# KiCad board kira.kicad_pcb
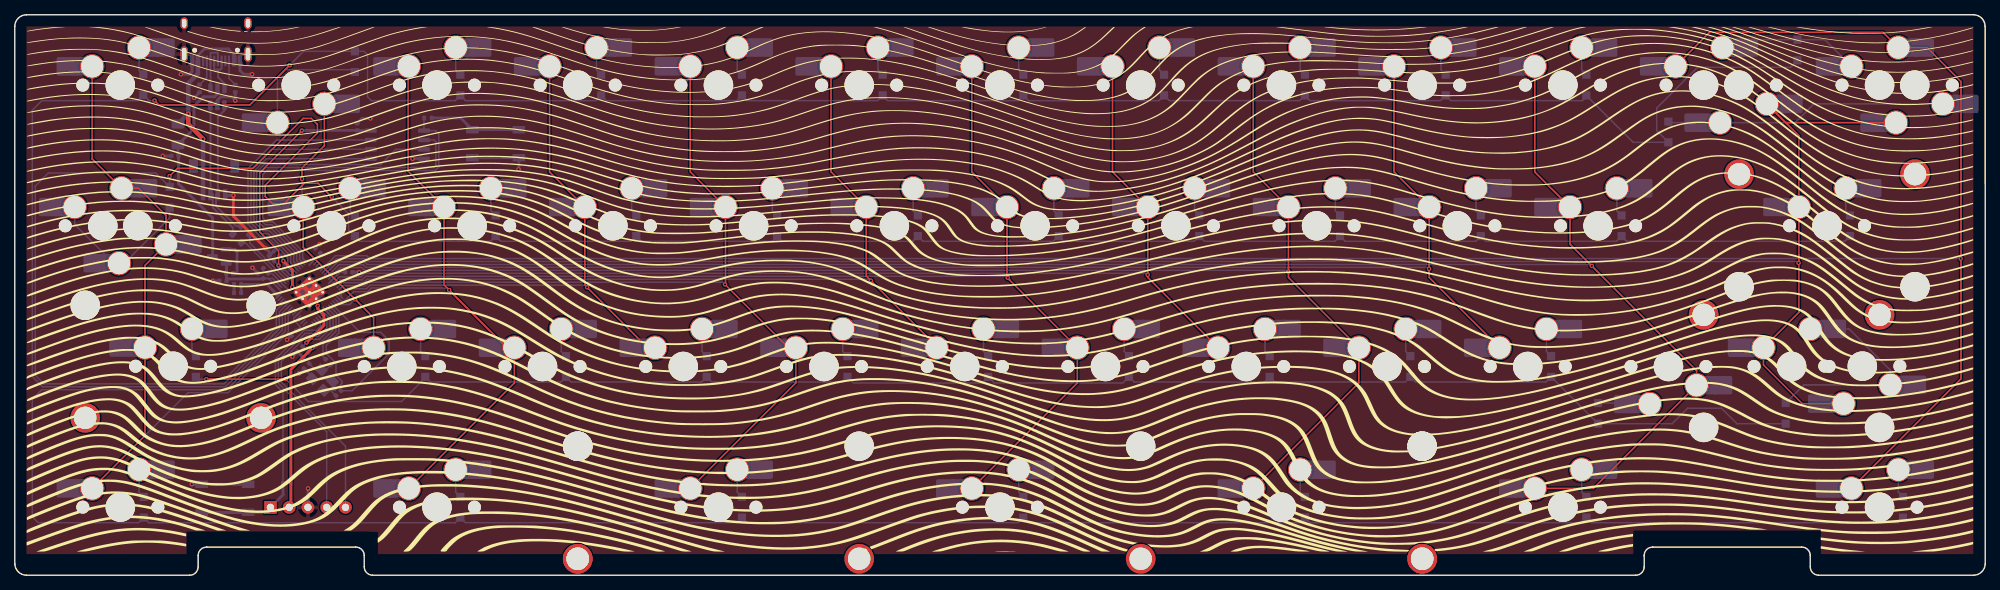
[diagram p0: board, top side]
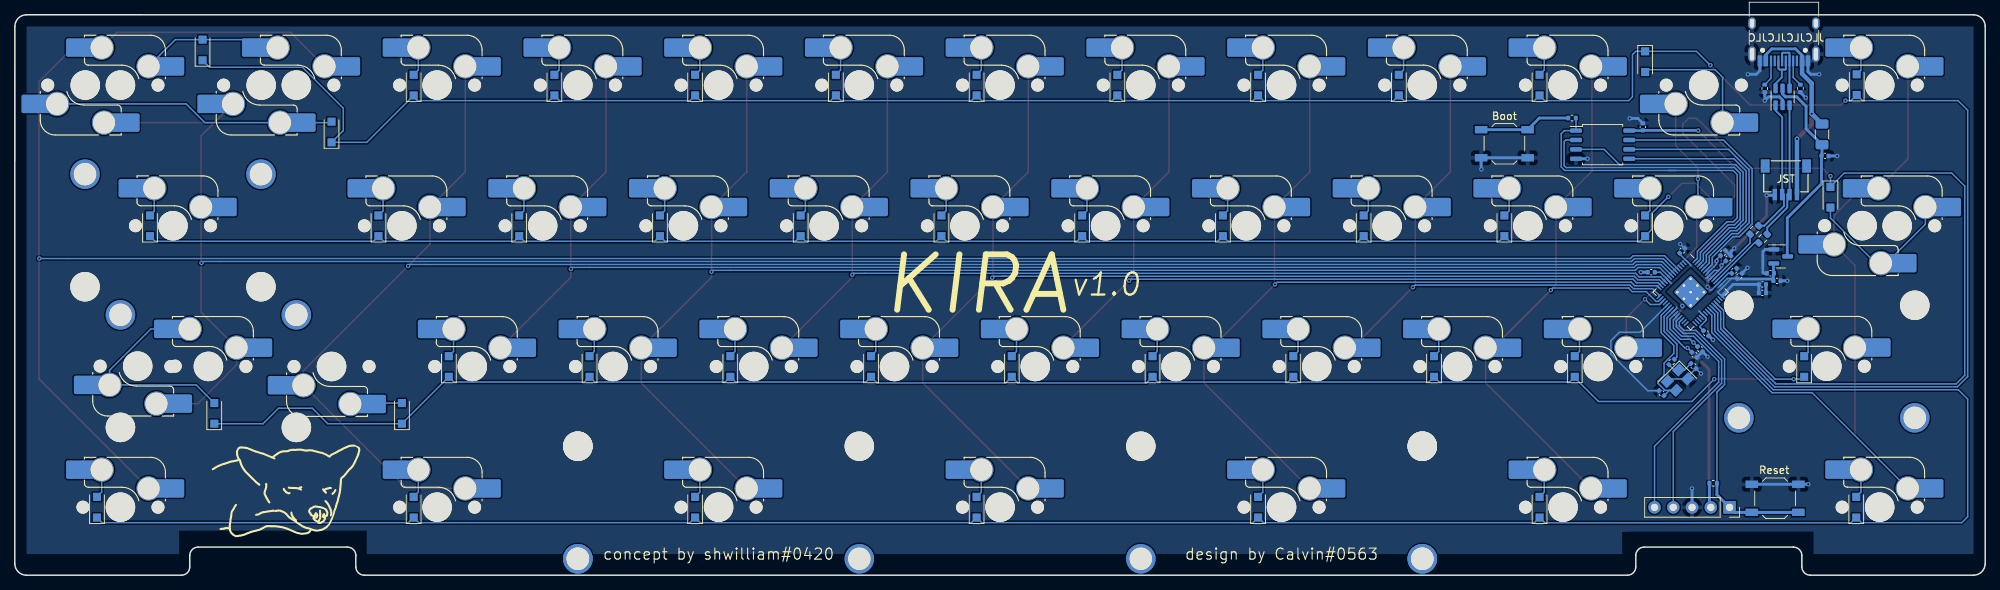
[diagram p1: board, bottom side, seen from below]

Outline 266.71 x 75.89 mm; copper layers: Top, Bottom. Coordinates in mm from the lower left corner of the outline.
Outline path: 0,74.3 arc(0.46,75.42) 1.59,75.88 265.17,75.89 arc(266.25,75.4) 266.7,74.3 266.71,1.52 arc(266.24,0.46) 265.18,0 244.17,0 arc(243.36,0.33) 243.02,1.14 243.02,2.67 arc(242.69,3.48) 241.88,3.81 221.69,3.81 arc(220.88,3.48) 220.54,2.67 220.54,1.14 arc(220.21,0.33) 219.4,0 48.44,0 arc(47.63,0.33) 47.3,1.14 47.3,2.67 arc(46.96,3.48) 46.16,3.81 25.96,3.81 arc(25.15,3.48) 24.82,2.67 24.82,1.14 arc(24.48,0.33) 23.68,0 1.6,0 arc(0.5,0.44) 0.01,1.52 0,74.3
Stack: Top 0.035mm / dielectric 1.51mm FR4 er 4.5 / Bottom 0.035mm

## Placement (name value [footprint] x y rotation side)
C1  1uF  [C_0402_1005Metric]  33.98 41.22 135 bottom
C2  100nF  [C_0402_1005Metric]  35.49 43.62 135 bottom
C3  100nF  [C_0402_1005Metric]  38.6 30.61 225 bottom
C4  1uF  [C_0402_1005Metric]  21.68 56.77 180 bottom
C5  22pF  [C_0402_1005Metric]  39.49 28.33 45 bottom
C6  22pF  [C_0402_1005Metric]  43.81 24.64 225 bottom
C7  10uF  [C_0402_1005Metric]  29.07 40.88 0 bottom
C8  1uF  [C_0402_1005Metric]  28.18 39.87 180 bottom
C9  1uF  [C_0402_1005Metric]  33.27 40.52 135 bottom
C10  100nF  [C_0402_1005Metric]  30.16 38.23 180 bottom
C11  100nF  [C_0402_1005Metric]  39.36 29.85 225 bottom
C12  100nF  [C_0402_1005Metric]  46.35 60.71 90 bottom
C13  100nF  [C_0402_1005Metric]  37.79 32.77 225 bottom
C14  100nF  [C_0402_1005Metric]  45.21 41.03 0 bottom
C15  100nF  [C_0402_1005Metric]  34.76 42.91 135 bottom
C16  100nF  [C_0402_1005Metric]  30.16 39.38 180 bottom
C17  100nF  [C_0402_1005Metric]  41.02 43.95 135 bottom
D2  D_Small  [D_SOD-123F]  17.39 66.43 90 bottom
D3  D_Small  [D_SOD-123F]  20.95 51.19 270 bottom
D4  D_Small  [D_SOD-123F]  24.51 28.26 90 bottom
D5  D_Small  [D_SOD-123F]  17.46 9.21 90 bottom
D6  D_Small  [D_SOD-123F]  46.03 69.54 270 bottom
D7  D_Small  [D_SOD-123F]  46.03 47.31 90 bottom
D8  D_Small  [D_SOD-123F]  55.56 28.26 90 bottom
D9  D_Small  [D_SOD-123F]  60.32 66.36 90 bottom
D10  D_Small  [D_SOD-123F]  65.08 47.31 90 bottom
D11  D_Small  [D_SOD-123F]  74.61 28.26 90 bottom
D12  D_Small  [D_SOD-123F]  60.32 9.21 90 bottom
D13  D_Small  [D_SOD-123F]  79.37 66.36 90 bottom
D14  D_Small  [D_SOD-123F]  84.13 47.31 90 bottom
D15  D_Small  [D_SOD-123F]  93.66 28.26 90 bottom
D16  D_Small  [D_SOD-123F]  98.42 66.36 90 bottom
D17  D_Small  [D_SOD-123F]  103.18 47.31 90 bottom
D18  D_Small  [D_SOD-123F]  112.71 28.26 90 bottom
D19  D_Small  [D_SOD-123F]  98.42 9.21 90 bottom
D20  D_Small  [D_SOD-123F]  117.47 66.36 90 bottom
D21  D_Small  [D_SOD-123F]  122.23 47.31 90 bottom
D22  D_Small  [D_SOD-123F]  131.76 28.26 90 bottom
D23  D_Small  [D_SOD-123F]  136.52 66.36 90 bottom
D24  D_Small  [D_SOD-123F]  141.28 47.31 90 bottom
D25  D_Small  [D_SOD-123F]  150.81 28.26 90 bottom
D26  D_Small  [D_SOD-123F]  136.52 9.21 90 bottom
D27  D_Small  [D_SOD-123F]  155.57 66.36 90 bottom
D28  D_Small  [D_SOD-123F]  160.33 47.31 90 bottom
D29  D_Small  [D_SOD-123F]  169.86 28.26 90 bottom
D30  D_Small  [D_SOD-123F]  174.62 66.36 90 bottom
D31  D_Small  [D_SOD-123F]  179.38 47.31 90 bottom
D32  D_Small  [D_SOD-123F]  188.91 28.26 90 bottom
D33  D_Small  [D_SOD-123F]  174.62 9.21 90 bottom
D34  D_Small  [D_SOD-123F]  193.67 66.36 90 bottom
D35  D_Small  [D_SOD-123F]  198.43 47.31 90 bottom
D36  D_Small  [D_SOD-123F]  207.96 28.26 90 bottom
D37  D_Small  [D_SOD-123F]  212.72 66.36 90 bottom
D38  D_Small  [D_SOD-123F]  217.48 47.31 90 bottom
D39  D_Small  [D_SOD-123F]  214.31 21.91 90 bottom
D40  D_Small  [D_SOD-123F]  212.72 9.21 90 bottom
D41  D_Small  [D_SOD-123F]  223.83 60.01 90 bottom
D42  D_Small  [D_SOD-123F]  248.41 47.31 90 bottom
D43  D_Small  [D_SOD-123F]  239.71 21.91 90 bottom
D44  D_Small  [D_SOD-123F]  241.29 71.13 90 bottom
D45  D_Small  [D_SOD-123F]  255.58 9.21 90 bottom
F1  500mA  [Fuse_1206_3216Metric]  22.09 59.7 270 bottom
G***  -  [LOGO]  133.32 38.3 0 top
G***#2  -  [LOGO]  231.09 12.45 205 bottom
J1  USB_C_Receptacle_USB2.0  [USB_C_Receptacle_HRO_TYPE-C-31-M-12]  27.24 73.69 0 bottom
J2  SWD  [PinSocket_1x05_P2.54mm_Vertical]  34.6 9.19 270 bottom
J3  Conn_01x04_Male  [JST-SR-4]  26.98 56.31 0 bottom
R1  27R  [R_0603_1608Metric]  31.24 46.74 315 bottom
R2  27R  [R_0603_1608Metric]  30.09 45.6 315 bottom
R3  1k  [R_0402_1005Metric]  36.82 12.45 180 bottom
R4  5k1  [R_0402_1005Metric]  25.01 65.92 270 bottom
R5  5k1  [R_0402_1005Metric]  29.84 65.92 270 bottom
R6  1k  [R_0402_1005Metric]  55.93 61.91 180 bottom
R7  1k  [R_0402_1005Metric]  42.45 28.87 135 bottom
S1  MX_stab  [STAB_MX_P_3u]  171.44 9.21 180 top
S2  MX_stab  [STAB_MX_P_7u]  133.34 9.21 180 top
S3  MX_stab  [STAB_MX_P_3u]  95.24 9.21 180 top
S4  MX_stab  [STAB_MX_P_2.25u]  21.44 28.3 180 top
S5  MX_stab  [STAB_MX_P_2.25u]  245.3 47.32 0 top
S6  MX_stab  [STAB_MX_P_2.75u]  240.5 28.27 0 top
SW1  SW_Push_45deg  [SW_MX_HS_1.5u]  14.28 66.36 180 bottom
SW2  SW_Push_45deg  [SW_MX_HS_1u]  38.09 66.36 0 bottom
SW3  SW_Push_45deg  [SW_MX_HS_1u]  57.14 66.36 180 bottom
SW4  SW_Push_45deg  [SW_MX_HS_1u]  76.19 66.36 180 bottom
SW5  SW_Push_45deg  [SW_MX_HS_1u]  95.24 66.36 180 bottom
SW6  SW_Push_45deg  [SW_MX_HS_1u]  114.29 66.36 180 bottom
SW7  SW_Push_45deg  [SW_MX_HS_1u]  133.34 66.36 180 bottom
SW8  SW_Push_45deg  [SW_MX_HS_1u]  152.39 66.36 180 bottom
SW9  SW_Push_45deg  [SW_MX_HS_1u]  171.44 66.36 180 bottom
SW10  SW_Push_45deg  [SW_MX_HS_1u]  190.49 66.36 180 bottom
SW11  SW_Push_45deg  [SW_MX_HS_1u]  209.54 66.36 180 bottom
SW12  SW_Push_45deg  [SW_MX_HS_1u]  257.17 66.36 0 bottom
SW12(1.5)1  SW_Push_45deg  [SW_MX_HS_1.5u]  233.36 66.36 0 bottom
SW13  SW_Push_45deg  [SW_MX_HS_1u]  228.59 66.36 180 bottom
SW13(1.5)1  SW_Push_45deg  [SW_MX_HS_1.5u]  252.41 66.36 180 bottom
SW14  SW_Push_45deg  [SW_MX_HS_1.75u]  16.66 47.33 0 bottom
SW14(1.25)1  SW_Push_45deg  [SW_MX_HS_1.25u]  11.91 47.31 180 bottom
SW15  SW_Push_45deg  [SW_MX_HS_1u]  42.86 47.31 180 bottom
SW16  SW_Push_45deg  [SW_MX_HS_1u]  61.91 47.31 180 bottom
SW17  SW_Push_45deg  [SW_MX_HS_1u]  80.96 47.31 180 bottom
SW18  SW_Push_45deg  [SW_MX_HS_1u]  100.01 47.31 180 bottom
SW19  SW_Push_45deg  [SW_MX_HS_1u]  119.06 47.31 180 bottom
SW20  SW_Push_45deg  [SW_MX_HS_1u]  138.11 47.31 180 bottom
SW21  SW_Push_45deg  [SW_MX_HS_1u]  157.16 47.31 180 bottom
SW22  SW_Push_45deg  [SW_MX_HS_1u]  176.21 47.31 180 bottom
SW23  SW_Push_45deg  [SW_MX_HS_1u]  195.26 47.31 180 bottom
SW24  SW_Push_45deg  [SW_MX_HS_1u]  214.31 47.31 180 bottom
SW25  SW_Push_45deg  [SW_MX_HS_1u]  245.3 47.32 180 bottom
SW26  SW_Push_45deg  [SW_MX_HS_1u]  21.44 28.3 180 bottom
SW27  SW_Push_45deg  [SW_MX_HS_1u]  52.38 28.26 180 bottom
SW28  SW_Push_45deg  [SW_MX_HS_1u]  71.43 28.26 180 bottom
SW29  SW_Push_45deg  [SW_MX_HS_1u]  90.48 28.26 180 bottom
SW30  SW_Push_45deg  [SW_MX_HS_1u]  109.53 28.26 180 bottom
SW31  SW_Push_45deg  [SW_MX_HS_1u]  128.58 28.26 180 bottom
SW32  SW_Push_45deg  [SW_MX_HS_1u]  147.63 28.26 180 bottom
SW33  SW_Push_45deg  [SW_MX_HS_1u]  166.68 28.26 180 bottom
SW34  SW_Push_45deg  [SW_MX_HS_1u]  185.73 28.26 180 bottom
SW35  SW_Push_45deg  [SW_MX_HS_1u]  204.78 28.26 180 bottom
SW36  SW_Push_45deg  [SW_MX_HS_1u]  223.83 28.26 0 bottom
SW37(1.75)1  SW_Push_45deg  [SW_MX_HS_1.75u]  250.07 28.31 0 bottom
SW37(2.75)1  SW_Push_45deg  [SW_MX_HS_1u]  240.5 28.27 180 bottom
SW39  SW_Push_45deg  [SW_MX_HS_1.5u]  14.29 9.22 180 bottom
SW40  SW_Push_45deg  [SW_MX_HS_1u]  57.14 9.21 180 bottom
SW41  SW_Push_45deg  [SW_MX_HS_1u]  133.34 9.21 180 bottom
SW42  SW_Push_45deg  [SW_MX_HS_1u]  209.54 9.21 180 bottom
SW43  SW_Push_45deg  [SW_MX_HS_1.5u]  252.41 9.21 180 bottom
SW44  SW_Push_45deg  [SW_MX_HS_1u]  95.24 9.21 180 bottom
SW45  SW_Push_45deg  [SW_MX_HS_1u]  171.44 9.21 180 bottom
SW46  Boot  [SW_SPST_TL3342]  65.08 58.43 0 bottom
SW47  Reset  [SW_SPST_TL3342]  28.44 10.42 0 bottom
U1  RP2040  [RP2040-QFN-56]  39.88 38.33 225 bottom
U2  XC6206PxxxMR  [SOT-23]  27.68 43.17 180 bottom
U3  W25Q128JVS  [SOIC-8_5.23x5.23mm_P1.27mm]  51.79 58.3 180 bottom
U4  USBLC6-2SC6  [SOT-23-6]  27.43 64.78 90 bottom
Y1  12MHz  [Crystal_SMD_3225-4Pin_3.2x2.5mm]  41.65 26.42 315 bottom

## Library data of the parts
C1-C17 = -: Description: Unpolarized capacitor, small symbol
D2-D45 = -: Description: Diode, small symbol
F1 = -: Description: Resettable fuse, polymeric positive temperature coefficient, small symbol
J1 = -: Description: USB 2.0-only Type-C Receptacle connector
J2 = -: Description: Generic connector, single row, 01x05, script generated (kicad-library-utils/schlib/autogen/connector/)
J3 = -: Description: Generic connector, single row, 01x04, script generated (kicad-library-utils/schlib/autogen/connector/)
R1-R7 = -: Description: Resistor, small symbol
S1-S6 = -: Description: Cherry MX-style stabilizer
SW1-SW12 SW12(1.5)1 SW13 SW13(1.5)1 SW14 SW14(1.25)1 SW15-SW36 SW37(1.75)1 SW37(2.75)1 SW39-SW45 = -: Description: Push button switch, normally open, two pins, 45° tilted
SW46 SW47 = -: Description: Push button switch, generic, two pins
U2 = -: Description: Positive 60-250mA Low Dropout Regulator, Fixed Output, SOT-23
U3 = -: Description: 128Mb Serial Flash Memory, Standard/Dual/Quad SPI, SOIC-8
U4 = -: Description: Very low capacitance ESD protection diode, 2 data-line, SOT-23-6
Y1 = -: Description: Four pin crystal, GND on pins 2 and 4, small symbol

## Footprints (pads in the part's own frame, mm; a bottom-side part is the same pattern mirrored in y, then rotated)
C_0402_1005Metric
  rrect 0.56x0.62 smd: 1(-0.48,0) 2(0.48,0)
Crystal_SMD_3225-4Pin_3.2x2.5mm
  rect 1.4x1.2 smd: 1(-1.1,-0.85) 2(1.1,-0.85) 3(1.1,0.85) 4(-1.1,0.85)
D_SOD-123F
  rect 1.1x1.1 smd: 1(-1.4,0) 2(1.4,0)
Fuse_1206_3216Metric
  rrect 1.25x1.75 smd: 1(-1.4,0) 2(1.4,0)
JST-SR-4
  rect 1.2x1.8 smd: (-2.8,0.9) (2.8,0.9)
  rect 0.6x1.55 smd: 1(-1.5,4.775) 2(-0.5,4.775) 3(0.5,4.775) 4(1.5,4.775)
PinSocket_1x05_P2.54mm_Vertical
  rect 1.7x1.7 hole 1: 1(0,0)
  oval 1.7x1.7 hole 1: 2(0,-2.54) 3(0,-5.08) 4(0,-7.62) 5(0,-10.16)
R_0402_1005Metric
  rrect 0.54x0.64 smd: 1(-0.51,0) 2(0.51,0)
R_0603_1608Metric
  rrect 0.8x0.95 smd: 1(-0.825,0) 2(0.825,0)
RP2040-QFN-56
  rrect 1.084x1.084 smd: (-0.637,-0.637) (-0.637,0.637) (0.637,-0.637) (0.637,0.637)
  rrect 0.875x0.2 smd: 1(-3.438,2.6) 2(-3.438,2.2) 3(-3.438,1.8) 4(-3.438,1.4) 5(-3.438,1) 6(-3.438,0.6) 7(-3.438,0.2) 8(-3.438,-0.2) 9(-3.438,-0.6) 10(-3.438,-1) 11(-3.438,-1.4) 12(-3.438,-1.8) 13(-3.438,-2.2) 14(-3.438,-2.6) 29(3.438,-2.6) 30(3.438,-2.2) 31(3.438,-1.8) 32(3.438,-1.4) 33(3.438,-1) 34(3.438,-0.6) 35(3.438,-0.2) 36(3.438,0.2) 37(3.438,0.6) 38(3.438,1) 39(3.438,1.4) 40(3.438,1.8) 41(3.438,2.2) 42(3.438,2.6)
  rrect 0.2x0.875 smd: 15(-2.6,-3.438) 16(-2.2,-3.438) 17(-1.8,-3.438) 18(-1.4,-3.438) 19(-1,-3.438) 20(-0.6,-3.438) 21(-0.2,-3.438) 22(0.2,-3.438) 23(0.6,-3.438) 24(1,-3.438) 25(1.4,-3.438) 26(1.8,-3.438) 27(2.2,-3.438) 28(2.6,-3.438) 43(2.6,3.438) 44(2.2,3.438) 45(1.8,3.438) 46(1.4,3.438) 47(1,3.438) 48(0.6,3.438) 49(0.2,3.438) 50(-0.2,3.438) 51(-0.6,3.438) 52(-1,3.438) 53(-1.4,3.438) 54(-1.8,3.438) 55(-2.2,3.438) 56(-2.6,3.438)
  round 0.6 hole 0.35: 57(-1.275,-1.275) 57(-1.275,0) 57(-1.275,1.275) 57(0,-1.275) 57(0,0) 57(0,1.275) 57(1.275,-1.275) 57(1.275,0) 57(1.275,1.275)
  rrect 3.2x3.2 smd: 57(0,0)
SOIC-8_5.23x5.23mm_P1.27mm
  rrect 1.6x0.6 smd: 1(-3.6,1.905) 2(-3.6,0.635) 3(-3.6,-0.635) 4(-3.6,-1.905) 5(3.6,-1.905) 6(3.6,-0.635) 7(3.6,0.635) 8(3.6,1.905)
SOT-23
  rrect 1.475x0.6 smd: 1(-0.938,0.95) 2(-0.938,-0.95) 3(0.938,0)
SOT-23-6
  rrect 1.325x0.6 smd: 1(-1.137,0.95) 2(-1.137,0) 3(-1.137,-0.95) 4(1.137,-0.95) 5(1.137,0) 6(1.137,0.95)
STAB_MX_P_2.25u
  round 4 hole 3.048: (-11.906,6.985) (11.906,6.985)
  round 3.988 hole 3.988 unplated: (-11.906,-8.255) (11.906,-8.255)
STAB_MX_P_2.75u
  round 4 hole 3.048: (-11.906,6.985) (11.906,6.985)
  round 3.988 hole 3.988 unplated: (-11.906,-8.255) (11.906,-8.255)
STAB_MX_P_3u
  round 4 hole 3.048: (-19.05,6.985) (19.05,6.985)
  round 3.988 hole 3.988 unplated: (-19.05,-8.255) (19.05,-8.255)
STAB_MX_P_7u
  round 4 hole 3.048: (-57.15,6.985) (57.15,6.985)
  round 3.988 hole 3.988 unplated: (-57.15,-8.255) (57.15,-8.255)
SW_MX_HS_1.5u
  round 1.75 hole 1.75 unplated: (-5.08,0) (5.08,0)
  round 3.988 hole 3.988 unplated: (0,0)
  round 3.3 hole 3: 1(3.81,2.54) 2(-2.54,5.08)
  rect 1.65x2.5 smd: 1(5.635,2.54) 2(-4.34,5.08)
  rrect 2.55x2.5 smd: 1(7.36,2.54) 2(-6.09,5.08)
SW_MX_HS_1.25u
  round 1.75 hole 1.75 unplated: (-5.08,0) (5.08,0)
  round 3.988 hole 3.988 unplated: (0,0)
  round 3.3 hole 3: 1(3.81,2.54) 2(-2.54,5.08)
  rect 1.65x2.5 smd: 1(5.635,2.54) 2(-4.34,5.08)
  rrect 2.55x2.5 smd: 1(7.36,2.54) 2(-6.09,5.08)
SW_MX_HS_1.75u
  round 1.75 hole 1.75 unplated: (-5.08,0) (5.08,0)
  round 3.988 hole 3.988 unplated: (0,0)
  round 3.3 hole 3: 1(3.81,2.54) 2(-2.54,5.08)
  rect 1.65x2.5 smd: 1(5.635,2.54) 2(-4.34,5.08)
  rrect 2.55x2.5 smd: 1(7.36,2.54) 2(-6.09,5.08)
SW_MX_HS_1u
  round 1.75 hole 1.75 unplated: (-5.08,0) (5.08,0)
  round 3.988 hole 3.988 unplated: (0,0)
  round 3.3 hole 3: 1(3.81,2.54) 2(-2.54,5.08)
  rect 1.65x2.5 smd: 1(5.635,2.54) 2(-4.34,5.08)
  rrect 2.55x2.5 smd: 1(7.36,2.54) 2(-6.09,5.08)
SW_SPST_TL3342
  rect 1.7x1 smd: 1(-3.15,1.9) 1(3.15,1.9) 2(-3.15,-1.9) 2(3.15,-1.9)
USB_C_Receptacle_HRO_TYPE-C-31-M-12
  round 0.65 hole 0.65 unplated: (-2.89,2.6) (2.89,2.6)
  rect 0.6x1.45 smd: A1(-3.25,4.045) A4(-2.45,4.045) A9(2.45,4.045) A12(3.25,4.045) B1(3.25,4.045) B4(2.45,4.045) B9(-2.45,4.045) B12(-3.25,4.045)
  rect 0.3x1.45 smd: A5(-1.25,4.045) A6(-0.25,4.045) A7(0.25,4.045) A8(1.25,4.045) B5(1.75,4.045) B6(0.75,4.045) B7(-0.75,4.045) B8(-1.75,4.045)
  oval 1x1.6 hole 0.6x1.2: S1(-4.32,-1.05) S1(4.32,-1.05)
  oval 1x2.1 hole 0.6x1.7: S1(-4.32,3.13) S1(4.32,3.13)

## Nets
+1V1: C1.1 C2.1 C3.1 U1.23 U1.45 U1.50
+3V3: C7.1 C8.1 C9.1 C10.1 C11.1 C12.1 C13.1 C14.1 C15.1 C16.1 C17.1 J2.2 R3.1 U1.1 U1.10 U1.22 U1.33 U1.42 U1.43 U1.44 U1.48 U1.49 U2.2 U3.8
+5V: C4.1 F1.2 U2.3 U4.5
GND: C1.2 C2.2 C3.2 C4.2 C5.1 C6.1 C7.2 C8.2 C9.2 C10.2 C11.2 C12.2 C13.2 C14.2 C15.2 C16.2 C17.2 J1.A1 J1.A12 J1.B1 J1.B12 J1.S1 J2.3 J3.4 R4.2 R5.2 SW46.1 SW47.2 U1.19 U1.57 U2.1 U3.4 U4.2 Y1.2 Y1.4
VBUS: F1.1 J1.A4 J1.A9 J1.B4 J1.B9 J3.1
/CC1: J1.A5 R4.1
/CC2: J1.B5 R5.1
/D_+: R1.2 U1.47
/D_-: R2.2 U1.46
/USB_BOOT: R6.1 SW46.2
Col0: SW1.1 SW14.1 SW14(1.25)1.2 SW26.1 SW39.1 U1.35
Col1: SW2.1 SW15.1 SW27.1 U1.17
Col2: SW3.1 SW16.1 SW28.1 SW40.1 U1.16
Col3: SW4.1 SW17.1 SW29.1 U1.15
Col4: SW5.1 SW18.1 SW30.1 SW44.1 U1.14
Col5: SW6.1 SW19.1 SW31.1 U1.13
Col6: SW7.1 SW20.1 SW32.1 SW41.1 U1.12
Col7: SW8.1 SW21.1 SW33.1 U1.11
Col8: SW9.1 SW22.1 SW34.1 SW45.1 U1.9
Col9: SW10.1 SW23.1 SW35.1 U1.8
Col10: SW11.1 SW24.1 SW36.1 SW42.1 U1.7
Col11: SW12.2 SW12(1.5)1.1 SW25.1 SW37(1.75)1.2 SW37(2.75)1.1 U1.6
Col12: SW13.1 SW13(1.5)1.2 SW43.1 U1.5
CS: R6.2 U1.56 U3.1
D_N: J3.2 R2.1 U4.3
D_P: J3.3 R1.1 U4.1
D_USB_N: J1.A7 J1.B7 U4.4
D_USB_P: J1.A6 J1.B6 U4.6
QSPI_CLK: U1.52 U3.6
RESET: J2.1 R3.2 SW47.1 U1.26
Row0: D2.1 D6.1 D9.1 D13.1 D16.1 D20.1 D23.1 D27.1 D30.1 D34.1 D37.1 D41.1 D44.1 U1.37
Row1: D3.1 D7.1 D10.1 D14.1 D17.1 D21.1 D24.1 D28.1 D31.1 D35.1 D38.1 D42.1 U1.38
Row2: D4.1 D8.1 D11.1 D15.1 D18.1 D22.1 D25.1 D29.1 D32.1 D36.1 D39.1 D43.1 U1.39
Row3: D5.1 D12.1 D19.1 D26.1 D33.1 D40.1 D45.1 U1.36
SD0: U1.53 U3.5
SD1: U1.55 U3.2
SD2: U1.54 U3.3
SD3: U1.51 U3.7
SWCLK: J2.5 U1.24
SWD: J2.4 U1.25
XTAL_IN: C6.2 U1.20 Y1.3
XTAL_OUT: R7.2 U1.21
Net-(C5-Pad2): C5.2 R7.1 Y1.1
Net-(D2-A): D2.2 SW1.2
Net-(D3-A): D3.2 SW14.2 SW14(1.25)1.1
Net-(D4-A): D4.2 SW26.2
Net-(D5-A): D5.2 SW39.2
Net-(D6-A): D6.2 SW2.2
Net-(D7-A): D7.2 SW15.2
Net-(D8-A): D8.2 SW27.2
Net-(D9-A): D9.2 SW3.2
Net-(D10-A): D10.2 SW16.2
Net-(D11-A): D11.2 SW28.2
Net-(D12-A): D12.2 SW40.2
Net-(D13-A): D13.2 SW4.2
Net-(D14-A): D14.2 SW17.2
Net-(D15-A): D15.2 SW29.2
Net-(D16-A): D16.2 SW5.2
Net-(D17-A): D17.2 SW18.2
Net-(D18-A): D18.2 SW30.2
Net-(D19-A): D19.2 SW44.2
Net-(D20-A): D20.2 SW6.2
Net-(D21-A): D21.2 SW19.2
Net-(D22-A): D22.2 SW31.2
Net-(D23-A): D23.2 SW7.2
Net-(D24-A): D24.2 SW20.2
Net-(D25-A): D25.2 SW32.2
Net-(D26-A): D26.2 SW41.2
Net-(D27-A): D27.2 SW8.2
Net-(D28-A): D28.2 SW21.2
Net-(D29-A): D29.2 SW33.2
Net-(D30-A): D30.2 SW9.2
Net-(D31-A): D31.2 SW22.2
Net-(D32-A): D32.2 SW34.2
Net-(D33-A): D33.2 SW45.2
Net-(D34-A): D34.2 SW10.2
Net-(D35-A): D35.2 SW23.2
Net-(D36-A): D36.2 SW35.2
Net-(D37-A): D37.2 SW11.2
Net-(D38-A): D38.2 SW24.2
Net-(D39-A): D39.2 SW36.2
Net-(D40-A): D40.2 SW42.2
Net-(D41-A): D41.2 SW12.1 SW12(1.5)1.2
Net-(D42-A): D42.2 SW25.2
Net-(D43-A): D43.2 SW37(1.75)1.1 SW37(2.75)1.2
Net-(D44-A): D44.2 SW13.2 SW13(1.5)1.1
Net-(D45-A): D45.2 SW43.2

Pads without a net: J1 A8 B8; U1 2 3 4 18 27 28 29 30 31 32 34 40 41

## Via types
v1: diameter 0.6, hole 0.3, Top to Bottom, 46 vias
v2: diameter 0.6, hole 0.35, Top to Bottom, 1 via

## Routing (per net, layer and track width the routed paths; a pad name or vN(x,y) marks a point on that pad's centre or on a via; arc(x,y) is an arc through that point)
+1V1: length 24.8
  Top w0.381: v1(36.36,42.55) 37.58,41.33 v2(37.58,39.02) ; v1(39.49,31.5) 41.84,33.85 41.84,35.25 41,36.09 v1(41,36.48)
  Bottom w0.2: C1.1 34.78,40.88 U1.45 37.05,38.61 37.33,38.61 ; 36.36,42.76 v1(36.36,42.55) ; v1(36.36,42.55) 36.36,42.13 36.72,41.77 U1.50 ; v1(36.36,42.55) 36.36,42.76 C2.1 ; U1.23 42.67,34.69 42.67,33.36 41.26,31.95 39.94,31.95 v1(39.49,31.5) C3.1
+3V3: length 102.5
  Top w0.2: v1(38.86,60.2) 33.14,54.49 33.14,46.49 35.7,43.93 v1(35.7,41.94)
  Top w0.381: J2.2 37.37,9.42 37.37,27.73 ; 37.37,27.86 v1(40.29,30.78)
  Bottom w0.2: 42.46,39.5 42.64,39.67 U1.10 43.99,41.03 C14.1 ; 39.87,41.92 39.87,42.04 40.43,42.6 ; U1.42 35.6,37.72 ; U1.42 35.35,37.99 ; U1.42 36.19,38.31 36.19,38.36 35.63,38.92 U1.43 34.35,40.18 C9.1 34.92,40.18 U1.44 35.89,39.16 ; 37.46,39.88 37.46,39.9 U1.48 36.13,41.22 ; 36.13,41.22 35.7,41.65 v1(35.7,41.94) 35.1,42.54 C15.1 ; 36.13,41.22 36.19,41.28 36.64,41.28 U1.49 37.68,40.24 37.84,40.24 ; C11.1 39.7,30.19 v1(40.29,30.78) 40.65,30.78 41.51,31.64 ; U1.1 41.36,43.48 C17.1 ; 38.79,35.82 U1.33 37.78,34.81 37.78,34.52 38.62,33.68 38.62,33.59 C13.1 ; 41.51,31.64 43.07,33.19 43.07,34.86 U1.22 41.78,36.14 41.78,36.33 ; 41.51,31.64 41.42,31.55
  Bottom w0.381: J2.2 37.33,9.38 37.33,12.45 ; v1(38.86,60.2) 38.89,60.23 C12.1 46.38,60.2 U3.8 ; C10.1 C16.1 34.13,39.38 35.61,37.89 35.61,37.86 35.55,37.8 35.11,38.23 ; C9.1 33.54,40.11 28.91,40.11 C8.1 28.66,42.17 U2.2
+5V: length 27.8
  Bottom w0.381: U2.3 26.79,43.22 26.79,48.37 22.16,53 C4.1 22.09,56.85 F1.2 24.25,60.45 24.25,63.5 25.52,64.78 27.05,64.78 27.43,65.16 U4.5
GND: length 102.3
  Top w0.381: v1(33.97,44.26) 33.97,44.26 29.59,48.65 v1(29.59,51.44)
  Top w0.6: U1.57 U1.57 ; U1.57 U1.57 ; U1.57 U1.57 39.88,36.97 41.24,38.33 U1.57 U1.57 U1.57
  Bottom w0.2: Y1.2 42.69,26.58 40.29,26.58 Y1.4 40.27,26.87 C5.1 v1(38.48,27.31) ; C17.2 40.72,44.29 v1(41.27,44.84) ; C6.1 45.67,24.98 50.67,29.98 50.67,31.76 49.52,32.9 46.72,32.9 U1.19
  Bottom w0.381: v1(29.59,51.44) 28.58,51.44 J3.4 ; C9.2 32.93,40.88 v1(32.18,41.63) ; v1(39.7,11.76) 39.68,11.74 J2.3 ; R5.2 v1(29.84,64.27) 29.33,64.78 27.87,64.78 27.43,64.33 U4.2 ; v1(68.19,54.96) 68.23,55 SW46.1 SW46.1 ; C10.2 C16.2 ; v1(36.87,31.88) 36.82,31.84 36.81,31.84 37.4,32.43 ; C4.2 v1(20.03,56.77) ; 24,12.32 24,12.32 31.72,12.32 ; C2.2 34.44,43.25 C15.2 34.42,43.8 v1(33.97,44.26) ; v1(22.48,67.83) 23.62,67.83 23.99,68.2 J1.A1 ; C14.2 v1(46.6,41.03) ; C12.2 47.01,61.85 v1(48.13,61.85) ; R4.2 25.01,65.37 v1(24.29,64.65) ; 29.52,44.12 U2.1 29.77,44.12 30.09,43.8 30.09,41.01 29.96,40.88 C7.2 ; U3.4 53.84,56.39 v1(53.84,56.39) ; C11.2 C3.2 v1(37.59,29.6) ; C8.2 v1(26.79,39.87) ; v1(32.13,67.83) 30.99,67.83 30.49,68.33 J1.A12
  vias: v1(23.96,12.32)
VBUS: length 28.6
  Top w0.6: v1(23.49,62.49) 23.49,61.07 v1(25.48,59.08)
  Bottom w0.381: J1.A9 29.69,70.47 28.89,71.27 25.66,71.27 24.79,70.4 J1.A4
  Bottom w0.6: v1(25.48,59.08) 25.48,59.08 J3.1 ; J1.A4 24.79,67.91 23.49,66.6 v1(23.49,62.49) F1.1
/CC1: length 3.6
  Bottom w0.2: R4.1 25.99,67.41 J1.A5
/CC2: length 3.6
  Bottom w0.2: R5.1 28.99,67.28 J1.B5
/D_+: length 8.1
  Bottom w0.2: R1.2 31.82,44.97 U1.47
/D_-: length 8
  Bottom w0.2: R2.2 31.21,45.02 U1.46
/USB_BOOT: length 12.4
  Bottom w0.381: R6.1 60.35,61.91 SW46.2 SW46.2
Col0: length 105.2
  Top w0.2: SW1.1 10.47,56.37 SW14(1.25)1.2 16.79,52.39 20.47,48.71 SW14.1 17.63,41.96 SW26.1 17.63,18.91 SW39.1
  Bottom w0.2: U1.35 37.01,35.17 37.01,32.87 28.85,24.71 23.43,24.71 SW39.1
Col1: length 41.5
  Top w0.2: 41.9,63.82 41.9,58.17 38.89,55.16 v1(38.89,53.66) ; SW27.1 48.57,34.87 46.24,37.2 ; v1(46.05,37.38) 46.06,37.38 46.24,37.2 ; SW15.1 39.05,44.39 46.24,37.2
  Bottom w0.2: v1(38.89,53.66) 38.89,50.01 SW15.1 ; U1.17 44.09,36.66 45.33,36.66 v1(46.05,37.38)
Col2: length 93.5
  Top w0.2: v1(58.8,38.61) 64.38,33.03 ; v1(58.8,38.61) 66.61,30.8 SW28.1 67.62,26.04 SW40.1 ; v1(58.8,38.61) 58.1,39.31 SW16.1 53.24,54.71 53.24,68.81 SW3.1
  Bottom w0.2: U1.16 44.24,37.08 44.56,37.08 45.88,38.4 47.78,38.4 48.25,38.86 48.25,38.87 48.26,38.88 58.53,38.88 v1(58.8,38.61)
Col3: length 78.8
  Top w0.2: SW29.1 85.66,30.8 v1(77.46,38.99) 77.15,39.31 SW17.1 72.38,54.62 SW4.1
  Bottom w0.2: v1(77.46,38.99) 77.18,39.28 48.09,39.28 47.61,38.8 45.01,38.8 44.15,37.94 U1.15
Col4: length 122
  Top w0.2: SW5.1 91.43,54.62 SW18.1 96.2,39.44 ; v1(96.13,39.38) 104.71,30.8 SW30.1 105.72,26.04 SW44.1
  Bottom w0.2: U1.14 44.43,39.2 47.44,39.2 47.92,39.68 95.83,39.68 v1(96.13,39.38)
Col5: length 116.5
  Top w0.2: 110.48,68.9 110.48,54.62 SW19.1 115.25,40.52 v1(115.88,39.88) 124.77,30.99 SW31.1
  Bottom w0.2: v1(115.88,39.88) 115.68,40.08 47.67,40.08 47.18,39.6 44.26,39.6 U1.13
Col6: length 161.4
  Top w0.2: 134.69,39.93 134.41,40.22 v1(134.41,40.28) ; 134.69,39.93 SW32.1 143.82,26.04 SW41.1 ; 134.69,39.93 134.3,40.33 SW20.1 129.53,54.62 SW7.1
  Bottom w0.2: v1(134.41,40.28) 134.21,40.48 132.55,40.48 ; 132.55,40.48 47.5,40.48 47.02,40 44.09,40 U1.12 ; 132.55,40.48 133.13,40.48
Col7: length 154.9
  Top w0.2: 153.35,40.96 153.35,40.33 SW33.1 ; 153.35,40.96 153.35,40.96 v1(153.35,40.68) ; 153.35,40.96 SW21.1 148.58,54.62 SW8.1
  Bottom w0.2: v1(153.35,40.68) 153.15,40.88 47.34,40.88 46.85,40.4 43.93,40.4 U1.11
Col8: length 200.1
  Top w0.2: SW45.1 181.92,26.04 SW34.1 172.4,40.33 172.4,41.76 ; v1(172.4,41.08) 172.4,41.75 172.4,41.76 ; 172.4,41.76 SW22.1 167.63,54.62 SW9.1
  Bottom w0.2: v1(172.4,41.08) 172.2,41.28 47.37,41.28 46.98,41.66 44.06,41.66 U1.9
Col9: length 194.4
  Top w0.2: SW10.1 186.68,54.62 SW23.1 191.45,40.96 ; SW35.1 191.45,40.33 191.45,40.96 ; 191.45,40.96 191.43,40.98 v1(191.43,41.48)
  Bottom w0.2: U1.8 43.9,42.06 47.15,42.06 47.53,41.68 191.23,41.68 v1(191.43,41.48)
Col10: length 252.3
  Top w0.2: 213.55,41.79 210.5,44.84 SW24.1 205.73,54.62 SW11.1 ; 213.55,41.79 213.47,41.87 v1(213.47,41.88) ; 213.55,41.79 227.64,27.7 SW36.1 213.67,11.75 SW42.1
  Bottom w0.2: U1.7 43.73,42.46 47.32,42.46 47.7,42.08 213.27,42.08 v1(213.47,41.88)
Col11: length 272.2
  Top w0.2: v1(241.44,42.28) 241.49,42.33 241.49,43.34 ; 241.49,43.34 241.49,35.61 SW37(2.75)1.1 236.69,28.48 241.94,23.23 SW37(1.75)1.2 ; 241.49,43.34 SW25.1 241.49,59.51 SW12(1.5)1.1 239.71,61.28 SW12.2
  Bottom w0.2: v1(241.44,42.28) 241.24,42.48 47.86,42.48 47.48,42.86 43.57,42.86 U1.6
Col12: length 327.7
  Top w0.2: 263.42,43.34 263.42,26.58 SW43.1 ; 263.42,43.34 263.42,66.85 258.83,71.44 SW13(1.5)1.2 252.88,73.51 229.39,73.51 SW13.1 ; 263.42,43.34 263.42,42.92 v1(263.38,42.88)
  Bottom w0.2: U1.5 43.4,43.26 47.65,43.26 48.03,42.88 v1(263.38,42.88)
CS: length 48.2
  Bottom w0.2: 42.86,54.81 56.91,54.81 57.39,55.29 57.39,59.78 56.97,60.2 U3.1 55.39,61.88 R6.2 ; 42.86,54.81 41.84,54.81 ; 42.86,54.81 34.13,54.81 33.56,54.24 33.56,48.39 34.1,47.85 34.96,47.85 38.96,43.86 38.96,42.92 U1.56
D_N: length 18.7
  Bottom w0.254: U4.3 26.48,63.63 26.48,51.88 26.79,51.57 26.79,49.79 29.51,47.07 R2.1
D_P: length 18.6
  Bottom w0.254: R1.1 29.9,47.32 27.25,49.98 27.25,51.53 27.48,51.77 27.48,62.04 28.38,62.93 28.38,63.64
D_USB_N: length 6.9
  Bottom w0.254: J1.A7 27.49,70.67 27.41,70.75 26.54,70.75 26.49,70.7 J1.B7 26.49,65.93 U4.4 26.47,65.92
D_USB_P: length 6.2
  Bottom w0.254: J1.B6 27.99,68.61 27.84,68.47 27.43,68.47 ; 28.38,65.91 28.38,66.57 27.53,67.42 27.53,68.37 27.43,68.47 ; J1.A6 26.99,68.52 27.05,68.47 27.43,68.47
QSPI_CLK: length 33.9
  Bottom w0.2: U1.52 37.36,42.26 37.36,43.19 34.3,46.25 33.43,46.25 31.96,47.72 31.96,54.9 34.72,57.66 U3.6
RESET: length 48.6
  Bottom w0.2: 35.62,25.47 36.31,24.78 R3.2 ; 35.62,25.47 35.28,25.82 35.28,26.69 35.28,29.29 39.15,33.15 40.76,33.15 41.41,33.8 41.41,34.25 41.06,34.6 ; 35.62,25.47 35.84,25.26
  Bottom w0.381: 33.93,8.52 SW47.1 ; 33.93,8.52 J2.1 36.31,10.9 R3.2 ; 33.93,8.52 25.42,8.52
Row0: length 343.8
  Top w0.2: v1(37.21,69.06) 31.82,63.67 19.52,63.67 v1(18.92,64.27)
  Bottom w0.2: v1(18.92,64.27) 18.16,64.27 17.4,65.03 D2.1 16.63,64.27 3.68,64.27 2.38,62.97 2.38,26.9 3.77,25.51 28.52,25.51 36.21,33.2 36.21,35.51 U1.37 ; D44.1 240.35,68.78 227.77,68.78 222.24,63.25 222.24,60.2 D41.1 219.07,58.61 D37.1 212.72,64.78 212.21,64.27 194.36,64.27 D34.1 192.97,64.27 175.32,64.27 D30.1 173.92,64.27 156.27,64.27 D27.1 154.88,64.27 137.21,64.27 D23.1 135.82,64.27 118.17,64.27 D20.1 116.78,64.27 99.11,64.27 D16.1 97.73,64.27 80.06,64.27 D13.1 78.67,64.27 61.02,64.27 D9.1 59.62,64.27 48.25,64.27 47.75,64.78 47.75,70.49 47.3,70.94 D6.1 39.09,70.94 v1(37.21,69.06)
Row1: length 350.6
  Top w0.2: v1(42.9,51.24) 41.07,53.07 39.19,53.07 36.44,50.32 34.87,50.32 33.9,51.29 33.9,52.81 40.97,59.87 40.97,61.04 40.15,61.85 39.03,61.85 32.28,55.1 22.02,55.1 v1(20.95,54.03)
  Bottom w0.2: 34.8,32.36 35.81,33.37 35.81,34.71 ; 34.8,32.36 28.35,25.91 26.98,25.91 ; 34.8,32.36 35.59,33.15 ; 26.98,25.91 3.93,25.91 2.78,27.07 2.78,52.7 4.54,54.46 19.08,54.46 D3.1 20.95,54.03 ; 26.98,25.91 27.1,25.91 ; 35.81,34.71 35.81,34.62 ; 35.81,34.71 35.81,35.67 U1.38 ; D42.1 247.71,45.22 218.18,45.22 D38.1 216.79,45.22 199.13,45.22 D35.1 197.74,45.22 180.08,45.22 D31.1 178.69,45.22 161.03,45.22 D28.1 159.64,45.22 141.98,45.22 D24.1 140.59,45.22 122.93,45.22 D21.1 121.54,45.22 103.88,45.22 D17.1 102.49,45.22 84.83,45.22 D14.1 83.44,45.22 65.78,45.22 D10.1 64.39,45.22 46.73,45.22 D7.1 45.18,46.76 45.18,48.95 v1(42.9,51.24)
Row2: length 243.4
  Top w0.2: v1(25.93,26.55) v1(36.68,26.55)
  Bottom w0.2: U1.39 35.41,35.84 35.41,33.53 28.42,26.55 v1(25.93,26.55) 24.82,26.55 D4.1 ; D43.1 233.11,20.51 231.01,22.61 226.44,22.61 224.34,20.51 D39.1 D36.1 207.26,26.17 189.6,26.17 D32.1 188.21,26.17 170.55,26.17 D29.1 169.16,26.17 151.5,26.17 D25.1 149.98,26.04 132.58,26.04 D22.1 130.93,26.04 113.53,26.04 D18.1 112.01,26.17 94.35,26.17 D15.1 92.96,26.17 75.3,26.17 D11.1 73.91,26.17 56.25,26.17 D8.1 55.56,26.74 52.34,23.52 39.71,23.52 v1(36.68,26.55)
Row3: length 314.6
  Bottom w0.2: D45.1 254.89,7.12 213.41,7.12 D40.1 212.02,7.12 175.32,7.12 D33.1 173.92,7.12 137.22,7.12 D26.1 135.82,7.12 99.12,7.12 D19.1 97.72,7.12 61.02,7.12 D12.1 59.6,7.1 18.17,7.1 D5.1 17.45,7.81 16.76,7.12 3.17,7.12 2.38,7.91 2.38,23.85 3.64,25.11 28.69,25.11 36.61,33.04 36.61,35.34 U1.36
SD0: length 32.5
  Bottom w0.2: U3.5 34.02,56.39 32.36,54.74 32.36,47.89 33.6,46.65 34.46,46.65 37.76,43.36 37.76,42.43 U1.53
SD1: length 44.2
  Bottom w0.2: U3.2 56.77,58.93 56.99,58.71 56.99,55.45 56.75,55.21 34.29,55.21 34.28,55.21 33.97,55.21 33.16,54.41 33.16,48.22 33.93,47.45 34.79,47.45 38.56,43.69 38.56,42.76 U1.55
SD2: length 39.4
  Bottom w0.2: U1.54 38.16,42.59 38.16,43.52 34.63,47.05 33.77,47.05 32.76,48.05 32.76,54.57 33.8,55.61 49.52,55.61 49.53,55.61 51.58,57.66 U3.3
SD3: length 35.2
  Bottom w0.2: U3.7 35.43,58.93 31.55,55.06 31.55,47.57 33.27,45.85 34.13,45.85 36.96,43.03 36.96,42.1 U1.51
SWCLK: length 33.4
  Bottom w0.2: 44.69,9.19 J2.5 44.76,17.47 36.08,26.15 36.08,28.18 36.08,28.95 39.48,32.35 41.09,32.35 42.21,33.47 42.21,34.58 U1.24
SWD: length 32.1
  Bottom w0.2: J2.4 42.22,19.44 35.68,25.98 35.68,26.68 35.68,26.68 35.68,29.12 39.31,32.75 40.93,32.75 41.81,33.64 41.81,34.41 U1.25
XTAL_IN: length 17.2
  Bottom w0.2: C6.2 42.73,25.04 Y1.3 41.84,25.03 43.33,25.03 44.3,26 44.29,26.01 44.29,26.26 43.46,27.09 43.47,27.1 43.47,28.72 42.16,30.03 42.16,31.12 43.87,32.83 43.87,35.19 U1.20
XTAL_OUT: length 8.1
  Bottom w0.2: R7.2 41.73,29.58 41.73,31.29 43.47,33.03 43.47,35.02 U1.21
Net-(C5-Pad2): length 3.6
  Bottom w0.2: R7.1 42.1,27.8 Y1.1 40.7,27.8 C5.2
Net-(D2-A): length 3.9
  Bottom w0.2: SW1.2 16.82,68.4 D2.2
Net-(D3-A): length 21.3
  Bottom w0.2: SW14(1.25)1.1 8.1,47.52 13.37,42.25 SW14.2 14.82,42.25 20.95,48.38 D3.2
Net-(D4-A): length 3.9
  Bottom w0.2: SW26.2 23.98,30.19 D4.2
Net-(D5-A): length 3.9
  Bottom w0.2: D5.2 16.83,11.24 SW39.2
Net-(D6-A): length 17.2
  Bottom w0.2: SW2.2 35.55,67.32 35.49,67.38 36.57,68.46 45.71,68.46 D6.2
Net-(D7-A): length 3.9
  Bottom w0.2: D7.2 45.4,49.35 SW15.2
Net-(D8-A): length 3.9
  Bottom w0.2: D8.2 54.92,30.3 SW27.2
Net-(D9-A): length 3.9
  Bottom w0.2: 59.68,71.44 59.68,68.4 D9.2
Net-(D10-A): length 3.9
  Bottom w0.2: SW16.2 64.45,49.35 D10.2
Net-(D11-A): length 3.9
  Bottom w0.2: D11.2 73.97,30.3 SW28.2
Net-(D12-A): length 3.9
  Bottom w0.2: D12.2 59.68,11.25 59.68,14.29
Net-(D13-A): length 3.9
  Bottom w0.2: SW4.2 78.73,68.4 D13.2
Net-(D14-A): length 3.9
  Bottom w0.2: SW17.2 83.5,49.35 D14.2
Net-(D15-A): length 3.9
  Bottom w0.2: SW29.2 93.02,30.3 D15.2
Net-(D16-A): length 3.9
  Bottom w0.2: D16.2 97.78,68.4 SW5.2
Net-(D17-A): length 3.9
  Bottom w0.2: SW18.2 102.55,49.35 D17.2
Net-(D18-A): length 3.9
  Bottom w0.2: D18.2 112.07,30.3 SW30.2
Net-(D19-A): length 3.9
  Bottom w0.2: SW44.2 97.78,11.25 D19.2
Net-(D20-A): length 3.9
  Bottom w0.2: D20.2 116.83,68.4 SW6.2
Net-(D21-A): length 3.9
  Bottom w0.2: D21.2 121.6,49.35 SW19.2
Net-(D22-A): length 3.9
  Bottom w0.2: SW31.2 131.12,30.3 D22.2
Net-(D23-A): length 3.9
  Bottom w0.2: SW7.2 135.88,68.4 D23.2
Net-(D24-A): length 3.9
  Bottom w0.2: D24.2 140.65,49.35 SW20.2
Net-(D25-A): length 3.9
  Bottom w0.2: SW32.2 150.17,30.3 D25.2
Net-(D26-A): length 3.9
  Bottom w0.2: D26.2 135.88,11.25 SW41.2
Net-(D27-A): length 3.9
  Bottom w0.2: SW8.2 154.93,68.4 D27.2
Net-(D28-A): length 3.9
  Bottom w0.2: SW21.2 159.7,49.35 D28.2
Net-(D29-A): length 3.9
  Bottom w0.2: D29.2 169.22,30.3 SW33.2
Net-(D30-A): length 3.9
  Bottom w0.2: SW9.2 173.98,68.4 D30.2
Net-(D31-A): length 3.9
  Bottom w0.2: SW22.2 178.75,49.35 D31.2
Net-(D32-A): length 3.9
  Bottom w0.2: D32.2 188.27,30.3 SW34.2
Net-(D33-A): length 3.9
  Bottom w0.2: SW45.2 173.98,11.25 D33.2
Net-(D34-A): length 3.9
  Bottom w0.2: SW10.2 193.03,68.4 D34.2
Net-(D35-A): length 3.9
  Bottom w0.2: SW23.2 197.8,49.35 D35.2
Net-(D36-A): length 3.9
  Bottom w0.2: D36.2 207.32,30.3 SW35.2
Net-(D37-A): length 3.9
  Bottom w0.2: SW11.2 212.08,68.4 D37.2
Net-(D38-A): length 3.9
  Bottom w0.2: D38.2 216.85,49.35 SW24.2
Net-(D39-A): length 7
  Bottom w0.2: D39.2 221.16,23.31 SW36.2
Net-(D40-A): length 3.9
  Bottom w0.2: SW42.2 212.08,11.25 D40.2
Net-(D41-A): length 41.8
  Bottom w0.2: D41.2 223.96,61.28 SW12(1.5)1.2 240.98,61.28 243.52,63.82 SW12.1
Net-(D42-A): length 3.9
  Bottom w0.2: D42.2 247.84,49.28 SW25.2
Net-(D43-A): length 30.3
  Bottom w0.2: D43.2 242.17,25.77 SW37(1.75)1.1 253.88,27.75 248.28,33.35 SW37(2.75)1.2
Net-(D44-A): length 26.5
  Bottom w0.2: SW13(1.5)1.1 SW13(1.5)1.1 244.97,72.53 D44.2 232.22,72.53 SW13.2 SW13.2
Net-(D45-A): length 3.9
  Bottom w0.2: SW43.2 254.95,11.25 D45.2

## Copper pours and planes (outline as drawn; the poured copper is in the pictures)
+1V1 on Bottom: 37.33,38.11 39.87,40.65 42.16,38.36 40.32,36.51 40.95,36 41.4,36.45 41.27,36.71 43.17,38.36 39.87,41.53 37.71,39.38 37.52,39.44 36.76,38.68
+3V3 on Bottom: 30.16,37.79 33.27,37.79 35.43,37.22 36.19,37.98 39.87,34.3 43.94,38.36 39.87,42.3 38.6,41.28 37.08,40.52 36.44,40.14 35.49,39.95 33.65,40.9 32.89,40.14 30.16,40.17
GND on Top, Bottom: 265.11,2.86 244.47,2.86 244.47,6.04 243.1,6.04 219.07,6.04 219.07,2.86 217.29,2.86 53.97,2.86 49.14,2.86 49.14,5.85 47.62,5.91 23.24,5.91 23.24,2.86 1.58,2.86 1.58,74.3 265.11,74.3

## Text on the board
B.Silkscreen: JLCJLCJLCJLC | JST | Reset | Boot | design by Calvin#0563 | concept by shwilliam#0420 | v1.0 | KIRA
